# Allegro board RK3588S_Template_LP4XD200P232SD10H2_30X30_2133MHz_H1R0_V11_20220218YWQ.brd (continued)
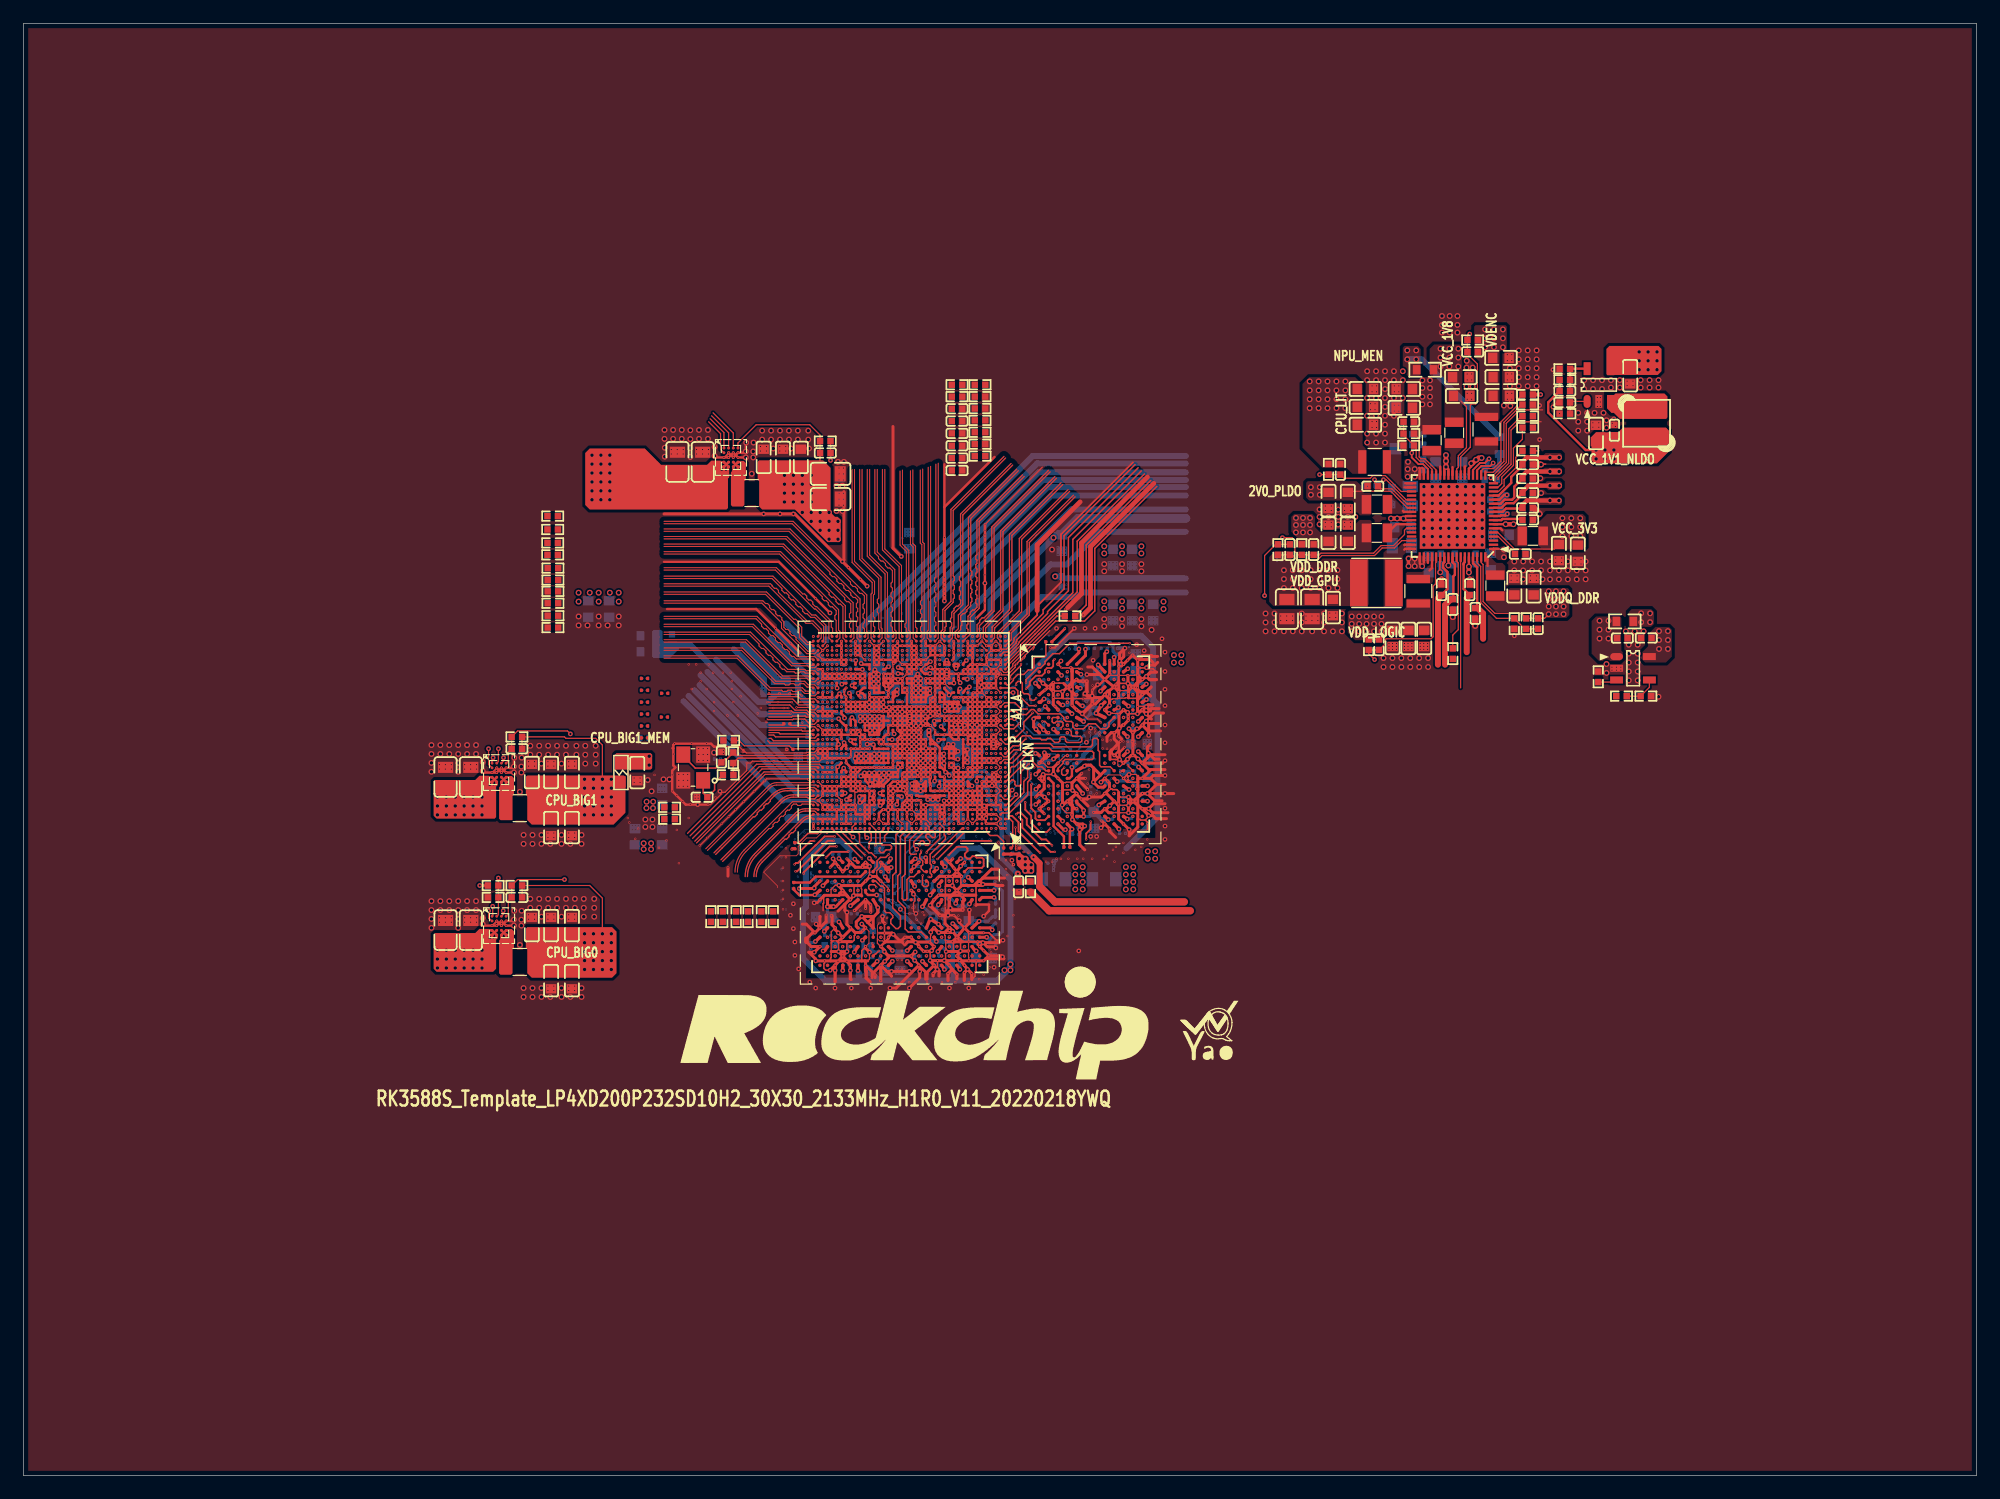
[diagram p0: board, top side]
## Routing (per net, layer and track width the routed paths; a pad name or vN(x,y) marks a point on that pad's centre or on a via; arc(x,y) is an arc through that point) (continued)
  TOP w0.279: v1(80.06,44.82) v7(79.75,44.4) 80.06,44.06 v2(80.4,43.6) v1(80.67,43.25) ; v3(79.35,43.25) v2(78.99,42.89) 78.99,42.31 ; v3(79.35,43.25) v2(79.1,43.6) v1(78.68,44) ; v3(79.35,43.25) v2(79.76,42.84) 79.76,42.44 ; v7(95.59,56.97) v1(96.14,56.97) ; v7(95.59,56.97) 96.14,56.43 v1(96.14,56.39) ; v7(95.59,56.97) v2(94.79,57.62) ; v2(94.79,57.62) 94.42,57.27 ; v2(94.79,57.62) U3800.V12 v2(95.62,58.27) v1(96.03,58.27) ; v2(94.79,57.62) v1(94.42,57.98) ; v3(95.94,66.97) v2(95.59,66.72) 95.19,66.3 ; v3(95.94,66.97) 96.3,66.61 ; v3(95.94,66.97) 96.35,67.38 ; v3(95.94,66.97) 95.4,66.97 95.19,67.18 ; 78.23,42.69 78.23,43.1 v1(78.08,43.25) ; v7(80.2,49.59) v10(80.16,49.55) ; v7(80.2,49.59) v7(78.2,49.59) v7(77.8,49.2) v1(77.48,48.73) ; v7(80.2,49.59) 81.37,49.59 ; v1(92.79,65.8) v7(92.39,65.42) 92.69,65.14 92.75,65.14 v1(92.77,65.12) ; v1(80.67,43.25) v2(81.03,42.89) 81.03,42.39 ; v1(80.67,43.25) v2(80.39,42.97) 80.39,42.31 ; v1(95.18,65.09) v2(95.59,65.42) ; v2(95.59,65.42) v1(95.93,65.09) ; v2(95.59,65.42) v1(95.94,65.7) ; v1(95.94,68.29) v2(95.59,68.02) 95.13,67.68 v7(94.79,67.37) v1(94.37,67.68) ; v1(95.94,68.29) 96.22,68.01 96.81,68.01 ; v1(95.94,68.29) 96.3,68.65 96.81,68.65 ; v2(73.25,42.29) v2(73.25,43.6) v1(73.59,43.94) ; 69.35,42.2 v1(69.35,43.16) v2(69.35,43.6) ; v2(94.79,63.48) v1(94.45,63.81) ; 70.71,42.39 70.65,42.45 v1(70.65,43.16) v2(70.65,43.6) v2(70,44.4) ; 77.72,42.69 v2(77.72,42.89) v1(78.08,43.25) ; v1(77.52,46.43) 77.52,46.43 77.52,46.5 v7(77.8,46.8) 78.18,46.4 v1(78.21,46.4) ; v1(79.2,48.48) 79.1,48.58 v2(79.1,49.2) 79.1,49.35 v2(79.75,50) ; v1(95.94,65.7) 96.09,65.85 96.5,65.85 ; v1(95.94,65.7) 96.3,65.34 ; v7(87.59,61.52) 87.47,61.52 v1(87.23,61.76) 87.23,61.31 v2(87.05,61.13) ; 89.6,67.83 89.64,67.78 ; 89.6,67.83 89.6,68.71 89.59,68.72 89.59,68.93 v2(89.48,69.04) ; 89.6,67.83 v7(89.6,65.82) v7(89.99,65.42) v1(90.46,65.1) ; v2(69.35,43.6) v2(70,44.4) ; v2(69.35,43.6) v1(68.93,43.18) ; v2(70,44.4) v1(69.65,44.77) ; v2(70,44.4) v1(70.36,44.77) ; v2(77.8,45.2) v1(77.6,44.85) ; U3800.K11 v1(95.13,63.81) ; v7(89.19,67.37) 89.38,67.18 v1(89.53,67.18) 89.53,67.03 89.84,66.72 v2(89.99,66.72) ; v1(78.08,43.25) v2(77.8,43.6) v1(77.47,44.01) ; v2(80.26,48.33) v2(80.26,48.66) 80.26,49.06 U3801.C5 ; U3801.N11 73.56,44.74 v1(73.56,44.76) ; v2(75.85,44.4) v1(76.19,44.74) ; v1(76.05,49.68) 76.05,49.81 v2(75.85,50) ; 90.62,66.72 v1(90.71,66.82) ; v2(95.59,64.12) v1(95.93,64.46) ; v2(71.95,43.6) 71.95,43.13 72.01,43.07 72.01,42.51 72.34,42.18 ; v7(73.9,51.6) 73.9,51.72 v1(74.14,51.96) 73.69,51.96 v2(73.51,52.14) ; v2(93.99,65.42) v1(94.34,65.22) ; v2(90.86,67.88) v2(90.53,67.88) 90.13,67.88 U3800.C5 ; U3800.P10 v1(94.33,61.21)
  TOP w0.305: v2(80.26,48.33) 79.35,48.33 v1(79.2,48.48) 78.99,48.28 v1(78.99,47.87) v2(78.31,47.87) 77.48,48.7 v1(77.48,48.73) ; v2(90.86,67.88) 90.86,66.97 v1(90.71,66.82) 90.91,66.61 v1(91.32,66.61) v2(91.32,65.93) 90.49,65.1 v1(90.46,65.1) ; v2(78.69,76.76) v2(78.69,76.33) v2(78.69,75.95) v2(78.69,75.56) v2(78.69,75.18) v1(78.69,74.73)
  TOP w0.406: 96.03,85.32 90.4,79.69 90.4,75.35 89.22,74.17 ; 66.9,45.61 66.9,45.87 ; 96.58,84.78 91.17,79.37 91.17,74.15 v2(90.55,73.53) ; v1(121.16,76.63) C2249.2 ; C2251.2 v1(123.57,76.62) ; 86.61,73.91 86.61,79.52 90.29,83.2
  TOP w0.508: C2246.2 v5(122.12,73.36) ; C2263.2 129.03,82.68 v5(129.54,82.17) ; C2253.2 v5(124.04,72.61)
  L2-GND1 w0.064: v7(70.29,66.5) 70.68,66.5 70.94,66.76 70.94,67.15 ; v7(69.09,64.9) 69.09,64.83 69.33,64.6 69.33,64.41 69.4,64.33 69.73,64.33 v8(70.08,63.98) ; v7(69.09,62.1) 69.33,62.34 69.33,62.85 v8(69.47,62.99) ; 78.54,69.55 78.69,69.39 v8(78.69,69.3) ; v8(69.44,71.12) 69.49,71.07 v7(69.49,70.9) ; 79.17,55.8 79.2,55.8 v7(79.49,56.1) ; v7(87.21,59.32) 87.22,59.31 v8(87.17,59.1) ; v2(73.49,56.9) 73.05,56.9 ; v8(83.69,67.86) 83.95,67.86 84.1,68.01 84.1,68.27 v8(84.13,68.29) ; 76.25,56.29 76.2,56.29 76.15,56.24 76.15,55.98 75.89,55.72 v7(75.89,55.7) ; 82.11,62.72 82.1,62.71 82.48,62.71 82.5,62.68 ; v8(78.41,45.54) 78.41,45.71 78.18,45.94 78.18,46.37 v1(78.21,46.4) ; v2(70.14,67.07) 70.08,67.02 70.08,66.52 ; v8(79.28,61.49) 79.34,61.55 80.18,61.55 80.35,61.72 80.4,61.67 80.43,61.7 80.87,61.7 80.93,61.64 ; v1(81.79,67.77) 81.76,67.77 81.74,67.74 80.81,67.74 80.78,67.72 80.51,67.72 80.48,67.74 v1(80.04,67.74) ; v2(71.09,65.3) 71.09,64.94 71.12,64.91 71.12,64.52 v8(70.99,64.39) ; v7(70.72,62.1) U1000.V34 70.48,61.89 70.54,61.84 70.54,61.57 70.29,61.33 ; 77.47,53.98 76.94,53.45 76.94,53.29 76.59,52.95 76.59,52.49 v7(76.5,52.4) ; v7(69.89,71.3) 69.89,71.71 v8(69.53,72.07) ; v7(83.49,55.3) 83.1,55.69 v2(83.1,55.7) ; v8(71.48,52.02) 71.69,51.97 v7(71.7,51.98) ; v7(71.49,67.7) 70.94,67.15 ; 70.94,67.15 70.74,67.15 70.7,67.19 70.61,67.19 70.56,67.23 70.36,67.23 v2(70.29,67.3) ; 67.97,69.37 67.97,69.38 v7(68.29,69.7) 68.29,69.71 67.89,70.1 ; v2(77.89,63.7) 77.89,64.06 78.49,64.66 v8(78.49,64.74) ; 76.94,53.67 v8(78.89,55.63) ; 71.68,57.15 71.89,56.94 v2(71.89,56.9) ; 77.72,69.9 77.72,70 77.73,70 77.73,70.2 77.59,70.33 77.4,70.33 ; 73,56.87 73,56.95 ; v7(68.29,63.7) 68.28,63.7 67.94,64.03 ; v7(68.29,70.5) v7(68.69,70.9) ; 77.42,69.95 77.17,69.7 v7(77.09,69.7) ; v2(73.49,55.7) v7(73.09,56.1) v7(72.69,55.7) ; v2(75.89,56.9) 76.2,56.59 ; v7(75.09,55.7) 74.76,56.03 74.71,56.03 74.68,56.06 v2(74.68,56.09) 74.67,56.08 74.67,56.06 74.64,56.03 74.63,56.03 74.29,55.7 ; v2(72.69,57.3) 72.69,57.25 ; v2(70.69,65.3) 70.48,65.09 70.48,64.64 70.48,64.63 v8(70.48,64.08) ; v7(83.49,66.9) 83.47,66.9 ; v7(80.69,56.1) v2(80.29,55.7)
  L2-GND1 w0.076: v7(79.75,51.6) 80.74,51.6 81.82,50.52 v1(81.98,50.52) ; v8(73.66,53.76) 73.33,53.76 73.27,53.83 73.08,53.83 72.74,53.5 72.74,53.44 ; 71.22,57.1 71.27,57.15 71.68,57.15 ; v1(95.18,65.09) 95.18,64.85 94.85,64.53 v7(94.39,64.53) ; 78.54,69.55 78.54,69.86 78.56,69.88 ; 79.91,67.67 79.91,67.61 79.6,67.31 ; v2(89.48,69.04) 89.48,68.63 89.32,68.46 89.26,68.46 88.62,67.82 88.39,67.82 ; v2(73.9,50) 73.7,50.2 73.16,50.2 73.08,50.11 ; v8(88.7,59.12) 89.17,59.59 89.17,60.59 88.88,60.87 v7(88.39,60.87) ; 73.05,56.9 72.69,57.25 ; 84.84,64.37 84.8,64.34 84.41,64.34 v8(84.28,64.47) ; v1(77.47,44.01) 77.23,44.01 76.9,44.34 v7(76.9,44.8)
  L2-GND1 w0.102: v8(87.83,53.21) 87.83,53.43 89.03,54.63 v1(89.03,55.18) ; 73.08,50.11 72.98,50.01 72.77,50.01 72.62,50.16 72.62,50.57 72.39,50.8 v7(71.95,50.8) ; v2(75.95,48.51) 76.18,48.51 76.86,49.2 v7(77.8,49.2) ; v8(76.68,51.99) 77.09,51.59 77.09,51.04 v8(76.58,50.53) ; v8(88.39,63.5) v2(88.39,64.12) ; v2(82.29,67.3) v2(81.89,66.9) 82.29,66.51 v2(82.29,66.5) ; v8(86.08,63.86) 86.06,63.88 84.71,63.88 ; v8(89.92,64.82) 89.92,64.56 90.8,63.67 v8(90.8,63.63) ; v2(78.31,47.87) 78.31,47.83 77.52,47.04 v1(77.52,46.43) ; v2(83.08,64.92) 83.11,64.95 83.14,64.95 v7(83.49,65.3) ; 77.42,58.16 77.15,58.16 ; 78.29,65.83 v2(78.29,65.7) ; 70.29,61.35 v2(70.29,61.3) ; v8(84.1,58.65) 84.12,58.67 84.12,59.03 v8(83.95,59.21) ; v8(84.1,58.65) 84.1,58.49 84.39,58.19 v8(84.43,58.19) ; v8(84.1,58.65) 83.95,58.5 v2(83.49,58.5) 83.49,58.5 v2(83.09,58.9) ; v8(71.48,52.02) 71.37,52.12 71.37,52.52 71.38,52.53 71.38,52.9 v8(71.37,52.91) ; v2(91.32,65.93) 91.36,65.93 91.86,65.42 v7(92.39,65.42) ; v7(75.49,66.9) 75.01,66.42 73.97,66.42 v2(73.89,66.5) ; v7(73.89,58.5) 73.89,58.7 72.97,59.61 v8(72.47,59.61) ; v8(84.45,63.8) 84.63,63.8 84.71,63.88 ; 76.4,59.28 76.3,59.18 76.3,58.5 76.2,58.39 ; 76.2,56.59 76.6,56.59 v7(76.69,56.5) ; v2(74.29,57.7) 74.45,57.86 74.65,57.86 74.98,57.53 75.32,57.53 v2(75.49,57.7) ; v2(71.49,63.7) 71.87,64.08 73.35,64.08 73.41,64.14 ; v8(80.01,62.36) 79.78,62.36 79.31,61.89 v8(79.28,61.89) 79.09,62.08 77.93,62.08 77.83,61.98 77.83,61.95 v8(77.77,61.9) ; 79.13,60.39 79.03,60.49 78.31,60.49 78.29,60.47 78.26,60.5 78.24,60.47 ; v8(86.87,63.5) 86.49,63.12 86.36,63.25 85.22,63.25 85.09,63.12 v8(84.33,63.12) ; v8(86.23,65.95) 85.96,65.68 85.96,64.76 v8(85.91,64.71) 85.17,64.71 84.84,64.37 84.84,64.01 84.71,63.88 ; v2(83.09,60.06) U1000.N3 v7(83.49,60.5) ; 74.12,69.77 74.07,69.82 73.76,69.82 ; v1(95.23,61.23) 95.23,61.01 94.85,60.62 94.63,60.62 94.47,60.46 v1(94.47,59.91) ; v8(80.24,62.12) 80.24,62.05 80.22,62.03 80.24,62 80.24,61.5 80.23,61.49 80.23,61.2 80.24,61.19 80.24,60.88 80.22,60.85 80.24,60.83 80.12,60.71 80.04,60.71 v8(80.01,60.73) ; v7(83.09,62.1) 83.5,61.69 v7(83.5,61.29) ; v2(86.79,65.42) 86.74,65.48 86.74,66.28 86.78,66.32 86.78,66.53 86.74,66.57 v2(86.74,66.72) 86,67.47 85.62,67.47 84.79,68.3 v8(84.79,68.53) ; 77.07,66.78 v8(77.07,67.06) 77.07,67.3 v8(77.06,67.31) 77.06,67.67 v7(77.09,67.7) ; v8(84.48,60.45) 84.64,60.3 86.09,60.3 v8(86.12,60.33) 86.09,60.35 86.09,60.63 v1(87.23,61.76) ; v7(92.81,69.66) 92.81,70.04 93.48,70.7 v1(94.11,70.7) ; 70.41,67.35 70.44,67.35 ; 70.41,67.35 v2(70.14,67.07) ; 70.41,67.35 70.41,67.81 ; v2(77.75,52.4) 77.47,52.68 v8(77.47,53.21) ; v1(74.14,51.96) 74.14,52.04 72.23,53.95 v8(71.4,53.95) ; v8(72.9,62.1) 72.3,62.1 v2(72.29,62.1) 72.32,62.07 72.32,60.53 v2(72.29,60.5) ; v7(83.49,63.7) v2(83.09,63.3) ; v7(73.89,58.9) 73.89,58.95 ; 79.3,69.85 79.3,69.76 79.28,69.73 79.28,69.61 79.3,69.59 79.3,69.49 79.25,69.44
  L2-GND1 w0.152: 77.07,66.78 77.07,66.63 77.06,66.62 ; v1(83.69,45.74) 83.13,45.74 82.17,46.7 82.17,46.76 ; v2(71.95,45.2) 71.63,44.87 71.63,44.09 ; 94.32,59.25 v2(93.99,59.57) ; v8(70.97,45.63) 70.97,45.64 70.99,45.66 70.99,46.46 v7(70.65,46.8)
  L3-S1 w0.064: 83.69,68.73 83.55,68.73 ; 83.69,68.73 83.69,68.69 v2(83.49,68.5) v2(83.09,68.1) ; 83.69,68.73 v8(83.79,68.83) 83.85,68.89 83.85,69.03 ; 83.55,68.73 83.85,69.03 ; 83.55,68.73 83.09,68.27 v2(83.09,68.1) ; 89.59,61.92 89.59,61.94 v8(89.41,62.12) ; 79.72,51.4 v3(80.06,51.07) 80.06,51.13 v8(79.88,51.31) 79.79,51.4 79.72,51.4 ; 79.72,51.4 v6(78.73,51.4) v3(78.5,51.18) ; 84.71,68.45 v8(84.79,68.53) 84.84,68.58 84.96,68.58 ; 84.71,68.45 84.71,68.33 ; 84.71,68.45 84.55,68.29 v8(84.13,68.29) ; v8(69.47,62.99) 69.33,62.85 69.33,62.24 69.41,62.16 70.25,62.16 70.26,62.17 v8(70.33,62.1) ; 70.92,45.18 70.92,45.14 70.56,44.77 v1(70.36,44.77) ; 70.92,45.18 70.92,45.63 ; 70.92,45.18 v3(71.07,45.33) 71.07,45.48 70.92,45.63 ; 84.1,68.21 84.13,68.24 v8(84.13,68.29) ; 84.1,68.21 84.1,68.01 83.98,67.89 83.98,67.89 83.96,67.86 v8(83.69,67.86) 83.33,67.86 v2(83.09,68.1) ; 84.1,68.21 84.1,68.27 v8(84.13,68.29) ; v8(85.91,64.71) 85.91,64.68 85.88,64.66 v3(85.88,64.4) ; v8(85.15,57.47) 85.14,57.47 85.05,57.56 v3(85.05,57.75) 84.93,57.87 84.67,57.87 ; v3(78.5,51.18) 78.48,51.2 78.25,51.2 v2(78.1,51.05) ; v3(78.5,51.18) 78.5,51.02 78.98,50.54 79.03,50.54 79.09,50.49 79.38,50.49 ; v8(70.99,64.39) 71.1,64.5 71.1,64.9 71.09,64.91 v2(71.09,65.3) ; v3(85.83,60.4) 85.83,60.4 86.02,60.4 86.09,60.33 v8(86.12,60.33) ; 84.35,58.19 v8(84.43,58.19) 84.48,58.14 84.48,58.06 ; 84.35,58.19 84.11,58.43 ; 84.35,58.19 84.48,58.06 ; v2(93.99,55.67) 93.99,55.69 93.95,55.72 93.95,56.58 94.23,56.86 94.23,57.08 94.32,57.17 ; 84.71,68.33 84.64,68.27 84.15,68.27 v8(84.13,68.29) ; 84.71,68.33 84.96,68.58 ; 81.13,54.88 v8(81.03,54.99) ; 81.13,54.88 81.19,54.88 81.39,54.69 81.61,54.69 ; 81.13,54.88 80.78,54.88 80.66,55.01 ; v8(74.42,52.96) v8(74.42,52.34) 74.14,52.06 v1(74.14,51.96) 74.32,51.78 v8(74.32,51.71) ; v8(70.08,63.98) 70,63.98 69.63,64.36 69.52,64.36 69.34,64.54 69.34,64.8 70.24,65.7 v2(70.29,65.7) ; 87.79,57.82 87.79,57.89 ; 87.79,57.82 87.79,57.24 87.86,57.17 ; 87.79,57.82 v8(87.76,57.85) 87.79,57.89 ; 87.79,57.89 87.79,58.21 88.13,58.54 v3(88.13,58.57) 88.16,58.61 88.56,58.61 v3(88.83,58.33) ; 70.92,45.63 70.74,45.81 69.76,45.81 69.7,45.88 v8(69.7,45.89) ; v3(92.93,59.23) 92.82,59.33 v2(92.64,59.33) ; 85.85,56.14 v8(85.85,56.39) 85.85,56.69 85.77,56.77 ; 85.85,56.14 86.84,55.15 v8(86.84,55.12) 86.84,54.98 v3(86.98,54.85) 86.53,54.41 86.46,54.41 ; 85.85,56.14 85.77,56.22 85.77,56.77 ; v2(68.05,45.2) 68.07,45.2 68.08,45.21 68.96,45.21 69.21,44.96 69.46,44.96 v1(69.65,44.77) ; 69.33,51.18 v3(69.29,51.18) ; 69.33,51.18 69.39,51.18 69.62,51.4 70.59,51.4 70.92,51.07 v3(70.95,51.07) 70.99,51.03 70.99,50.63 v3(70.71,50.36) ; 69.33,51.18 69.39,51.11 69.39,51.07 69.6,50.86 69.6,50.51 v1(69.67,50.44) ; v2(83.1,55.7) 83.1,55.69 83.32,55.47 83.32,55.24 v8(83.57,54.99) v8(83.82,54.74) 84.07,54.48 v3(84.23,54.48) 84.26,54.48 v8(84.52,54.23) 84.56,54.19 84.56,53.61 v3(84.39,53.43) ; v8(89.15,70.54) v3(88.82,70.54) v8(88.52,70.54) ; 85.77,56.77 85.77,56.77 84.67,57.87 ; 84.11,58.43 84.07,58.47 84.07,58.62 v8(84.1,58.65) 84.07,58.67 84.07,58.76 84.11,58.8 ; 84.11,58.43 84.11,58.8 ; 87.79,66.97 v8(87.79,66.35) v3(88.02,66.13) ; 87.79,66.97 v8(87.76,67.01) 87.79,67.04 ; 87.79,66.97 87.79,67.04 ; v3(82.78,64.86) 82.78,64.86 82.55,65.1 v8(82.04,65.1) ; v3(88.02,66.13) 88.17,66.13 88.65,66.6 88.65,66.66 88.7,66.71 88.7,66.91 ; v3(88.02,66.13) 87.99,66.1 87.99,65.87 v2(88.14,65.73) ; 85.32,56.03 85.32,56.56 83.45,58.43 ; 85.32,56.03 85.32,56.03 v8(85.27,55.98) 85.55,55.7 v8(85.55,55.68) ; 85.32,56.03 85.65,55.7 85.65,55.57 ; v10(89.52,63.67) 89.32,63.47 v2(89.19,63.47) 89.17,63.5 v8(88.77,63.5) v8(88.39,63.5) ; v3(92.23,68.83) 92.23,68.75 v8(92.46,68.52) 92.71,68.27 v3(92.84,68.27) ; 84.67,57.87 84.48,58.06 ; v1(88.75,57.29) 88.68,57.22 88.33,57.22 88.13,57.01 88.08,57.01 88.02,56.95 ; v8(70.48,64.08) 70.48,64.09 70.48,65.09 v2(70.69,65.3) ; 84.11,58.8 84.11,59.15 ; v3(87.53,55.73) 87.55,55.75 v8(87.83,55.75) ; 84.96,68.58 85.09,68.71 85.09,69.09 84.86,69.32 v2(84.86,69.34) ; v8(83.69,63.75) 83.74,63.8 v8(84.07,63.8) v8(84.45,63.8) 84.66,63.8 ; v8(86.23,62.04) 86.85,62.04 87.13,61.76 v1(87.23,61.76) 87.41,61.94 v8(87.48,61.94) ; 83.85,69.03 84.16,69.34 84.2,69.34 ; 73.41,64.14 73.77,64.21 v3(73.79,64.24) ; v1(88.78,66.99) 88.7,66.91 ; 88.7,66.91 88.7,67 ; 87.98,62.23 v8(87.88,62.13) ; 85.88,54.41 85.79,54.41 85.6,54.6 85.6,55.24 85.65,55.3 v3(85.65,55.37) ; 83.44,58.55 83.44,58.55 ; 83.44,58.55 83.44,58.44 83.45,58.43 ; 83.44,58.55 83.49,58.5 v2(83.49,58.5) 83.45,58.46 83.45,58.43 ; v3(83.69,56.06) 83.83,56.06 84.09,55.8 84.18,55.8 v8(84.19,55.79) 84.24,55.79 84.51,55.52 84.51,55.17 v8(84.33,54.99) ; v8(84.69,62.18) 84.77,62.26 85.71,62.26 v3(85.89,62.08) ; v3(87.99,68.07) 87.94,68.07 87.73,67.86 v8(87.73,67.79) ; v3(75.11,66.9) 75.11,66.71 75.62,66.2 v3(75.62,66.16) ; 87.79,67.04 87.79,67.28 88.07,67.57 ; v1(94.37,67.68) 94.37,67.4 94.28,67.31 94.28,67.28 94.23,67.23 94.23,67 94.39,66.84 v2(94.39,66.81) 94.42,66.79 v3(94.42,66.46) 94.4,66.44 93.87,66.44 93.79,66.36 93.69,66.36 93.63,66.31 v3(93.53,66.31) 93.43,66.4 93.43,66.6 93.41,66.63 93.41,66.91 93.43,66.93 93.43,67.12 93.41,67.14 93.41,67.59 v3(93.66,67.84) ; v8(84.28,64.47) 84.02,64.47 v3(83.99,64.51) ; v8(93.3,57.32) 93.33,57.32 93.38,57.37 93.38,58.36 93.71,58.69 v3(93.86,58.69) 94.01,58.54 94.06,58.54 94.42,58.18 v1(94.42,57.98) ; v3(81.21,46.96) 81.13,46.96 v8(80.9,46.74) 80.64,46.48 v3(80.64,46.36) ; v8(80.09,45.21) 80.06,45.19 v1(80.06,44.82) 79.78,44.82 79.69,44.92 79.66,44.92 79.61,44.96 79.38,44.96 79.19,44.77 v1(78.84,44.77) 78.82,44.8 78.82,45.32 78.74,45.4 78.74,45.51 78.69,45.56 v3(78.69,45.66) 78.78,45.76 78.98,45.76 79.01,45.79 79.28,45.79 79.31,45.76 79.49,45.76 79.52,45.79 79.97,45.79 v3(80.22,45.54) 80.09,45.4 v8(80.09,45.21) ; 91.3,63.98 91.55,63.98 91.44,63.87 v1(91.19,63.87) 91.3,63.98
  L3-S1 w0.076: v3(84.43,71.12) 84.43,71.18 v2(84.63,71.38) ; v3(84.43,71.12) 84.24,70.93 83.82,70.93 83.38,70.5 v2(82.69,70.5) ; v3(84.43,71.12) v8(84.07,71.12) ; v1(91.19,63.87) 90.8,63.87 90.5,63.57 90.3,63.57 89.59,63.57 89.52,63.65 ; 78.56,62.43 78.84,62.15 78.84,62.1 ; v8(75.18,47.92) 75.15,47.96 75.15,48.1 75.44,47.81 v3(75.44,47.52) 75.44,47.35 ; v1(93.63,63.85) 93.63,64.03 93.29,64.36 93.09,64.36 ; 83.97,70.3 v8(83.81,70.13) 83.58,69.9 ; 83.97,70.3 v3(84.45,70.3) 84.39,70.36 v8(84.07,70.36) 84.04,70.36 83.97,70.3 ; 76.74,46.1 76.68,46.17 76.68,46.63 76.74,46.7 ; 76.74,46.1 76.74,45.9 76.4,45.56 v1(76.23,45.56) 75.51,45.56 75.5,45.58 ; 76.74,46.1 76.74,46.32 v8(76.71,46.36) 76.74,46.39 76.74,46.7 ; v3(93.58,57.16) 93.64,57.22 94.16,57.22 94.32,57.37 ; 89.59,61.92 v3(89.59,61.84) 90.21,61.22 ; 68.75,55.85 68.55,55.65 68.3,55.65 v3(68.3,55.65) ; 68.75,55.85 68.78,55.85 v3(69.01,56.08) 69.19,56.26 ; 68.75,55.85 68.75,56.04 68.71,56.08 ; v2(79.89,68.1) 79.89,67.96 80.04,67.82 v1(80.04,67.74) 79.55,67.26 v2(79.22,67.26) ; 73.56,45.49 v3(73.56,45.54) ; v3(73.56,45.54) 73.49,45.6 73.49,45.78 ; v3(73.56,45.54) 73.61,45.49 73.61,45.41 ; v3(73.56,45.54) 73.61,45.54 ; 90.21,61.22 90.21,61.02 v8(90.3,60.94) 90.32,60.96 90.47,60.96 90.21,61.22 ; 91.05,58.25 91.22,58.08 91.12,57.98 v1(91.07,57.98) ; 91.05,58.25 90.93,58.37 ; 91.05,58.25 91.05,58.47 v2(90.91,58.61) ; v8(71.01,49.08) 71.01,48.52 70.75,48.27 ; 90.93,58.37 90.67,58.63 v8(90.11,58.63) ; 90.93,58.37 90.93,58.12 ; 76.03,49.68 75.95,49.6 75.95,48.89 75.95,48.32 v1(76.25,48.03) 76.25,47.78 76.36,47.67 76.36,47.92 ; 76.03,49.68 v1(76.05,49.68) ; 76.03,49.68 76.02,49.68 75.8,49.9 75.8,51.54 75.86,51.6 75.86,51.75 75.95,51.84 ; 88.73,57.32 v1(88.75,57.29) ; 75.26,45.67 75.35,45.58 ; 75.26,45.67 75.18,45.74 ; 75.26,45.67 75.26,45.56 ; 75.35,45.58 v2(75.3,45.53) ; 75.35,45.58 75.5,45.58 ; v8(91.57,63.25) 91.39,63.42 90.98,63.42 ; 69.75,44.88 69.8,44.93 70.21,44.93 v1(70.36,44.77) ; 69.75,44.88 v1(69.65,44.77) ; 69.75,44.88 69.6,45.03 69.6,45.55 v3(69.53,45.61) ; 76.74,46.7 76.74,46.9 76.74,46.9 76.74,47.13 v2(76.71,47.16) ; v2(83.09,63.3) v2(82.69,63.3) v2(82.29,62.9) ; 85.75,62.75 86.22,62.75 ; 85.75,62.75 85.73,62.74 85.29,62.74 84.86,63.16 84.75,63.16 ; 85.75,62.75 85.86,62.87 86.11,62.87 ; 86.22,62.75 86.11,62.87 ; 86.22,62.75 86.31,62.75 v8(86.36,62.8) ; 79.3,62.93 79.3,62.98 79.33,63.01 v8(79.66,63.01) ; 79.3,62.93 v3(79.27,62.97) ; 79.3,62.93 79.3,62.99 79.35,63.04 v8(79.33,63.52) ; v1(94.47,59.91) 94.84,60.28 94.84,60.63 95.23,61.02 v1(95.23,61.23) ; 73.6,48.98 73.4,48.98 v8(73.32,48.89) 73.34,48.87 73.34,48.72 ; 73.6,48.98 73.34,48.72 ; 73.6,48.98 v3(74.22,49.6) 74.59,49.97 74.59,51.07 74.4,51.25 74.4,51.63 ; 74.4,51.63 74.4,52.12 74.24,51.96 v1(74.14,51.96) ; 74.4,51.63 v8(74.32,51.71) ; 73.66,46.76 v8(73.91,46.51) 74.05,46.37 74.2,46.37 v1(74.32,46.25) ; 73.66,46.76 73.66,47.01 ; 73.66,46.76 v8(73.66,46.63) ; 75.31,45.52 75.52,45.3 ; 75.31,45.52 75.31,45.43 75.43,45.3 75.52,45.3 ; 75.31,45.52 v2(75.3,45.53) ; 75.52,45.3 75.6,45.3 ; 74.41,48.54 v8(74.29,48.66) 74.42,48.79 74.42,48.84 ; 74.41,48.54 74.77,48.54 v1(74.93,48.38) ; 74.41,48.54 74.21,48.54 74.12,48.63 74.12,48.68 74.29,48.84 74.42,48.84 ; v8(75.13,47.16) 75.07,47.1 75.07,47.01 ; 87.11,63.47 86.89,63.47 v8(86.87,63.5) 86.79,63.42 ; 87.11,63.47 87.21,63.57 ; 87.11,63.47 87.06,63.42 86.79,63.42 ; 87.11,63.47 87.11,63.68 v1(87.15,63.72) 87.2,63.72 87.26,63.67 ; 75.26,45.56 75.18,45.64 ; 75.26,45.56 v2(75.3,45.53) ; 75.18,45.64 75.18,45.74 ; 75.18,45.64 75.18,45.6 75.26,45.53 v2(75.3,45.53) ; 84.66,63.8 84.73,63.87 85.57,63.87 85.64,63.94 86,63.94 86.08,63.87 v8(86.08,63.86) 86.13,63.8 86.13,63.63 86.33,63.42 86.79,63.42 ; 87.21,63.57 87.26,63.62 87.26,63.67 ; 87.21,63.57 87.35,63.57 ; 92.49,64.36 92.29,64.36 92.29,64.36 92.07,64.36 v2(92.06,64.35) ; 92.49,64.36 92.8,64.36 v8(92.84,64.33) 92.87,64.36 93.09,64.36 ; 92.49,64.36 92.56,64.3 93.02,64.3 93.09,64.36 ; v3(72.45,60.76) 72.31,60.89 72.31,61.11 72.34,61.14 72.34,61.79 72.31,61.81 72.31,61.87 ; v2(81.09,69.7) v2(81.09,70.1) 80.98,70.22 80.98,70.82 v3(80.85,70.94) ; 84.07,63.12 84.32,63.12 v8(84.33,63.12) ; 84.07,63.12 84.11,63.16 ; 84.07,63.12 84,63.05 83.39,63.05 83.36,63.07 83.36,63.07 83.23,63.21 83.23,63.43 83.26,63.46 83.29,63.46 83.39,63.55 ; 75.18,45.74 75.18,46.44 75.18,46.9 75.07,47.01 ; 73.66,47.47 73.96,47.77 v8(73.96,47.88) 73.86,47.77 v1(73.41,47.77) ; 73.66,47.47 73.66,47.01 ; 73.66,47.47 73.66,47.52 v2(73.79,47.64) ; 89.52,63.65 89.52,63.64 89.29,63.42 ; 89.52,63.65 v10(89.52,63.67) ; 79.43,62.02 79.49,62.02 79.77,62.3 79.84,62.3 79.84,62.35 79.89,62.35 ; 81.28,56.11 81.58,56.11 81.79,55.89 81.79,55.8 81.84,55.75 81.84,55.75 v8(81.86,55.73) 81.86,55.63 81.91,55.58 v3(81.91,55.3) ; 81.28,56.11 v3(81.06,55.89) 81.02,55.93 80.86,55.93 ; 81.28,56.11 81.04,56.11 80.86,55.93 ; v2(70.99,48.28) 70.85,48.14 70.62,48.14 ; 75.5,45.58 75.52,45.58 75.57,45.53 v2(75.3,45.53) ; v8(74.42,52.96) 74.42,53.26 v3(74.49,53.33) 74.72,53.33 74.95,53.56 74.95,53.97 74.85,54.07 74.85,54.41 ; 90.98,63.42 90.22,63.42 ; 90.98,63.42 v2(91.06,63.5) ; 90.22,63.42 89.94,63.42 ; 90.22,63.42 v8(90.3,63.5) ; v3(88.83,58.33) 88.68,58.33 88.68,57.78 ; v3(70.71,50.36) 70.71,50.51 70.15,50.51 ; v2(75.89,56.9) v2(76.29,56.5) v2(76.29,56.1) 75.99,55.8 75.99,54.69 ; 86.11,62.87 85.78,63.2 85.73,63.2 85.51,63.41 85.23,63.41 84.98,63.16 ; 74.85,54.69 74.85,55.03 74.95,55.14 74.95,55.82 v2(74.68,56.09) ; 74.85,54.69 74.9,54.64 v8(74.9,54.56) 74.9,54.47 74.85,54.41 ; 74.85,54.69 74.85,54.41 ; 80.86,55.93 80.52,55.93 80.29,55.7 ; 88.7,67.06 88.66,67.11 88.66,67.47 88.56,67.57 88.07,67.57 ; 88.7,67.06 88.7,67 ; 88.7,67.06 v1(88.78,66.99) ; 87.35,63.57 87.26,63.67 ; 87.35,63.57 87.45,63.48 v2(87.59,63.48) 87.65,63.42 88.31,63.42 ; 75.95,51.84 76.05,51.94 ; 75.95,51.84 75.95,51.98 ; 76.05,51.94 76.1,51.99 v1(76.1,52.04) 76.06,52.08 75.85,52.08 ; 76.05,51.94 76,51.94 75.95,51.98 ; v2(73.15,47.21) 73.05,47.11 73.05,46.7 73.12,46.63 73.12,46.17 73.05,46.1 73.05,45.9 73.23,45.72 73.41,45.72 73.46,45.78 73.49,45.78 ; v2(73.15,47.21) 73.3,47.21 73.41,47.31 73.41,47.36 ; v2(73.15,47.21) 73.15,47.14 73.23,47.06 73.61,47.06 ; 83.11,58.9 83.47,59.26 83.99,59.26 84.11,59.15 ; v1(82.87,62.53) 82.86,62.53 82.84,62.5 82.55,62.5 82.36,62.32 81.68,62.32 v8(81.64,62.27) ; 87.56,62.03 87.07,62.03 87.23,61.86 v1(87.23,61.76) ; 87.56,62.03 87.78,62.03 v8(87.88,62.13) ; 87.56,62.03 v8(87.48,61.94) ; 87.56,62.03 87.56,62.15 87.64,62.23 89.28,62.23 ; v2(70.29,56.48) 70.11,56.3 70.11,56.01 69.98,55.88 69.72,55.88 68.76,54.92 v2(68.67,54.92) 68.55,54.92 68.07,54.45 67.39,54.45 67.31,54.37 v8(67.28,54.37) 67.31,54.35 v6(67.31,53.98) ; 89.94,63.42 89.29,63.42 ; 89.94,63.42 v8(89.99,63.47) ; 88.68,57.78 88.68,57.37 ; 88.68,57.78 88.78,57.88 ; 74.42,48.84 74.68,48.84 v8(75.15,49.31) ; v2(73.61,47.16) 73.61,47.06 ; 73.61,47.06 73.66,47.01 ; 94.32,57.37 94.27,57.42 94.27,57.83 v1(94.42,57.98) ; 94.32,57.37 94.32,57.17 ; 83.26,71.55 83.09,71.38 v2(83.09,71.3) ; v3(87.44,64.35) 87.44,64.36 87.44,64.5 v8(87.3,64.64) ; 69.19,56.26 69.21,56.26 v8(69.44,56.49) ; 69.19,56.26 68.85,56.26 v2(68.69,56.1) ; 73.34,48.72 73.34,48.17 73.5,48.01 73.5,47.87 ; 83.6,62.57 83.57,62.57 v2(83.49,62.5) 83.49,62.46 ; 83.6,62.57 83.49,62.46 ; 83.6,62.57 83.77,62.74 84.4,62.74 ; 83.49,62.46 83.26,62.23 83.26,62.04 83.46,61.84 v8(83.69,61.84) v8(84.13,61.84) 84.46,61.84 84.69,62.07 ; 75.99,54.69 75.99,54.18 76,54.17 76,53.11 75.85,52.96 75.85,52.08 ; 75.99,54.69 76.07,54.61 v8(76.07,54.36) ; v2(81.89,66.9) 81.89,66.89 v2(82.29,66.5) ; v2(95.12,58.67) 95.12,58.04 95.3,57.86 95.3,57.22 95.57,56.95 95.57,54.93 v8(95.5,54.86) ; v2(75.49,57.7) 75.42,57.63 75.06,57.63 75.01,57.58 ; 79.99,62.6 80.03,62.38 v8(80.01,62.36) ; 89.28,62.23 89.6,62.23 v3(91.47,60.36) ; 89.28,62.23 89.3,62.21 89.32,62.21 v8(89.41,62.12) ; 73.49,45.78 73.53,45.81 ; 75.95,51.98 75.85,52.08 ; 83.44,58.55 83.09,58.9 ; 70.5,48.27 70.75,48.27 ; 70.75,48.27 70.62,48.14 ; 70.29,61.35 v2(70.29,61.3) 70.53,61.53 v8(70.53,61.98) ; 70.26,50.41 70.15,50.51 ; 70.15,50.51 69.75,50.51 ; v8(80.37,62.81) 80.33,62.62 80.4,62.52 v3(80.4,62.5) ; 84.69,62.07 v8(84.69,62.18) 84.73,62.14 84.73,62.07 84.69,62.07 ; 70.62,48.14 70.46,47.97 70.36,48.08 v1(70.36,48.13) ; 72.57,62.02 72.57,62.03 72.44,62.03 ; v8(69.53,72.07) 69.53,72.2 v8(69.42,72.31) ; 75.16,51.35 v8(75.18,51.33) 75.16,51.33 75.13,51.3 75.13,49.93 v8(75.17,49.89) 75.15,49.87 v8(75.15,49.31) ; 75.16,51.35 75.13,51.35 75.13,51.58 ; 75.16,51.35 75.13,51.33 74.93,51.53 74.93,51.71 74.95,51.73 75.06,51.73 75.08,51.71 v3(75.08,51.63) 75.13,51.68 75.13,51.99 ; v8(81.31,61.9) 81.26,61.91 v3(80.9,62.48) ; 88.31,63.42 89.29,63.42 ; 88.31,63.42 v8(88.39,63.5) ; v2(71.09,57.3) 71.2,57.19 71.78,57.19 v2(71.89,57.3) ; v1(93.66,61.18) 93.66,61.03 93.18,60.55 v8(93.12,60.55) ; v2(82.31,55.7) 82.32,55.68 82.32,55.67 82.45,55.54 82.45,55.47 ; v8(70.92,65.56) 70.91,65.56 v3(70.79,65.99) ; v8(90.42,62.63) 90.22,62.83 90.07,62.83 v8(90.07,62.84) v8(89.27,62.84) ; v8(75.15,49.31) 75.15,49.05 ; v8(77.77,61.9) 77.75,61.93 v3(77.47,61.93) ; v2(73.49,56.9) 73.05,56.9 72.69,57.25 v2(72.69,57.3) ; 75.13,51.99 75,51.86 ; 75.13,51.99 75.13,53.02 75.49,53.37 75.49,56.58 75.44,56.63 75.44,56.85 v1(75.49,56.9) ; v2(78.69,70.1) 78.59,70 78.59,69.78 78.57,69.77 78.57,69.42 v8(78.69,69.3) ; 82.45,55.47 82.47,55.45 82.47,54.94 v8(82.55,54.86) v8(82.8,54.61) 83.31,54.1 v2(83.31,54.08) 83.36,54.02 83.36,53.6 v3(83.53,53.44) 84.39,52.58 v1(84.45,52.58) v3(84.45,50.93) 84.45,46.5 v1(83.69,45.74) ; 82.45,55.47 82.67,55.69 82.71,55.69 82.74,55.72 82.79,55.72 v3(82.8,55.73) ; 75.07,47.01 75.42,47.35 ; 69.7,50.46 v1(69.67,50.44) ; v8(76.89,63.45) 76.77,63.22 v3(76.71,63.2) ; v8(68.2,55.35) 68.2,55.3 67.81,54.91 66.88,54.91 v8(66.8,54.99) 66.67,54.99 66.55,54.86 ; 85.93,62.04 v8(86.23,62.04)
  L3-S1 w0.079: v8(78.41,45.54) 78.07,45.2 v2(77.8,45.2) ; v2(93.99,65.42) 93.99,65.69 v8(93.65,66.03)
  L3-S1 w0.102: 82.65,58.95 82.34,58.95 v2(81.89,58.5) ; 82.65,58.95 v1(82.76,58.95) 83.04,58.95 v2(83.09,58.9) ; 82.65,58.95 v2(82.29,59.3) 82.05,59.3 81.66,59.69 ; 73.79,45.26 73.79,45.66 73.76,45.69 ; 73.79,45.26 73.56,45.49 ; 73.79,45.26 73.83,45.21 74.39,45.21 v8(75.18,45.21) ; v2(81.89,63.3) v2(81.89,63.7) ; 57.36,66.94 60.02,66.94 ; v2(81.09,61.7) 80.41,61.7 80.24,61.87 v8(80.24,62.12) ; 84.2,69.34 84.23,69.37 v3(84.48,69.37) 84.81,69.37 84.84,69.34 v2(84.86,69.34) ; v1(93.66,61.18) 93.64,61.19 v3(92.84,61.19) 91.86,61.19 90.47,62.59 ; 80.16,65.32 80.18,65.35 80.23,65.35 v8(80.49,65.09) ; v8(57.15,54.86) 57.22,54.94 58.9,54.94 v2(59.67,55.7) ; v3(70.89,68.5) 70.83,68.56 70.76,68.56 v7(70.69,68.5) ; v8(87.76,57.85) 87.64,57.97 v1(87.25,57.97) ; v8(88.65,55.18) 88.38,55.18 v3(88.31,55.26) ; v3(74.04,62.23) 73.88,62.07 72.62,62.07 72.57,62.02 ; v1(73.03,70.15) 73.03,69.76 v2(73.09,69.7) ; v3(72.21,71.6) 72.21,71.86 v8(72.26,71.91) ; 79.68,73.71 v8(79.73,73.66) v8(79.73,73.28) v8(79.73,72.9) ; 79.68,73.71 79.68,72.95 ; 79.68,73.71 79.68,74.05 79.64,74.09 ; 68.71,56.08 v2(68.69,56.1) v2(68.29,56.1) ; 85.98,62.99 v8(85.98,62.87) ; v3(92.87,56.71) 92.68,56.52 v8(92.64,56.52) ; v2(79.1,52.45) 79.3,52.45 v3(79.4,52.35) ; v3(89.49,57.32) 89.53,57.28 v8(89.81,57.28) ; v8(81.64,62.27) 82.02,61.89 v8(82.04,61.89) 81.94,61.79 81.94,61.52 v3(81.81,61.39) ; v2(84.63,71.38) 85.02,71.38 85.34,71.06 v8(85.34,70.74) 85.34,70.37 85.08,70.1 84.65,70.1 v3(84.45,70.3) ; v8(85.85,54.43) 85.88,54.41 v3(86.18,54.41) 86.46,54.41 v8(86.49,54.43) ; v2(74.29,69.7) 74.29,70.05 v3(74.52,70.28) ; 80.66,55.01 80.46,55.2 80.46,55.53 80.29,55.7 ; 79.68,72.95 79.68,72.57 ; 79.68,72.95 v8(79.73,72.9) ; 79.68,72.57 79.68,72.19 79.73,72.24 v8(79.73,72.52) ; 79.68,72.57 v8(79.73,72.52) ; 84.11,58.8 84.27,58.97 v3(84.27,59.03) 84.1,59.21 v8(83.95,59.21) 83.34,59.21 v8(83.31,59.18) 83.09,58.96 v2(83.09,58.9) ; v3(73.79,55.83) v8(73.79,55.5) v8(74.04,55.24) 74.02,55.23 74.02,54.25 v3(74.17,54.1) 74.35,54.1 74.45,54.21 v8(74.45,54.23) ; 86.49,55.5 86.49,55.32 v8(86.56,55.24) 86.72,55.24 v8(86.84,55.12) ; 57.06,55.55 v3(57.61,55.55) 58.62,55.55 ; 60.11,74.85 60.91,74.85 v3(61.04,74.73) v8(61.42,74.73) ; 57.36,64.6 59.89,64.6 ; 81.91,54.99 81.61,54.69 81.87,54.69 v3(81.91,54.74) 81.91,54.99 ; 81.91,54.99 v3(81.91,55.3) ; v2(55.43,59.87) 55.3,59.74 ; v3(77.55,70.05) 77.55,70.18 v8(77.72,70.36) 77.89,70.19 v2(77.89,70.1) ; v3(77.55,70.05) 77.53,70.05 77.18,69.7 v7(76.69,69.7) ; v3(77.55,70.05) 77.59,70.1 v2(77.89,70.1) ; v2(83.49,69.7) 83.49,69.78 83.62,69.9 83.34,69.9 83.25,69.82 82.7,69.82 ; v2(74.69,69.7) 74.69,70.11 v3(74.52,70.28) ; v8(84.33,54.99) v8(83.95,54.99) v8(83.57,54.99) ; v8(95.5,54.86) v8(95.25,54.61) v3(95,54.36) v2(94.7,54.06) v2(93.98,54.06) 93.68,54.06 v3(93.6,53.98) v2(93.34,53.72) v3(92.84,53.21) v2(92.3,52.68) v3(91.95,52.68) v3(90.93,52.68) v3(89.66,52.68) 88.29,52.68 v2(88.26,52.7) 88.14,52.58 87.12,52.58 86.42,53.28 v2(85.46,53.28) v3(85.22,53.52) ; v3(89.61,68.13) 89.67,68.07 89.89,68.07 v2(89.94,68.02) ; 83.2,69.77 83.14,69.7 v2(82.69,69.7) 82.69,69.81 82.7,69.82 ; v2(70,51.6) 70.17,51.44 v8(70.23,51.44) ; v2(68.29,56.1) v2(67.89,56.1) 67.86,56.13 67.45,56.13 67.06,55.74 67.06,55.65 v3(66.72,55.32) 65.91,54.51 65.91,54.23 ; v2(68.29,56.1) 68.29,55.66 v3(68.3,55.65) ; v8(88.12,70.99) 87.91,70.99 v3(87.83,70.92) ; 88.68,57.37 88.73,57.32 ; 74.65,57.84 74.9,57.58 75.01,57.58 ; v3(77.05,66.56) 77.07,66.58 v8(77.07,67.06) 77.06,67.06 v8(77.06,67.31) 77.06,67.58 v3(77.17,67.69) ; 68.58,40.31 64.88,44.01 64.88,53.33 v2(65.15,53.59) 65.79,54.23 65.91,54.23 ; v2(69.89,69.3) 69.89,69.61 v3(69.93,69.65) 69.98,69.7 v2(70.29,69.7) ; v3(71.07,45.33) 70.97,45.44 v8(70.97,45.63) ; 69.75,50.51 69.7,50.46 ; 65.91,54.23 66.55,54.86 ; 65.91,54.23 v4(65.91,53.98) 66.16,53.73 v3(66.17,53.73) 67.04,53.73 v3(67.06,53.72) 67.19,53.85 67.19,53.85 v6(67.31,53.98) ; 83.23,63.3 83.23,63.3 v2(83.09,63.3) ; 71.71,46.56 71.63,46.63 v1(71.63,47.12) ; v8(79.73,72.9) v8(79.73,72.52) ; v3(67.64,51) 67.56,50.93 v8(67.56,50.67) ; v2(91.44,56.66) v3(91.44,56.96) 91.67,56.96 v2(91.73,56.9) ; v3(93.86,58.69) 94.07,58.9 v8(94.11,58.9) ; v8(70.97,50.01) 70.97,50.11 v3(70.71,50.36) 70.66,50.41 70.26,50.41 ; v3(86.84,67.02) 86.74,66.92 v2(86.74,66.72) ; v3(77.47,52.26) 77.61,52.4 v2(77.75,52.4) ; v8(86.36,62.8) 86.54,62.8 86.57,62.78 87.09,62.78 v8(87.12,62.8) 87.15,62.78 87.84,62.78 v8(87.86,62.8) v8(88.52,62.8) 89.24,62.8 v8(89.27,62.84) ; 73.52,52.14 73.69,52.31 v3(73.69,52.41) 73.51,52.24 v2(73.51,52.14) ; v1(79.6,64.16) 79.29,64.16 v3(79.18,64.05) ; v8(87.22,53.26) 87.47,53.26 v3(87.52,53.21) v8(87.83,53.21) ; v2(88.39,64.12) 88.39,64.35 v3(88.55,64.51) ; v2(70.29,68.1) 70.44,67.95 70.44,67.38 v2(70.14,67.07) 70.08,67.02 70.08,66.62 70.36,66.34 v3(70.36,66.31) ; 73.76,45.69 73.61,45.54 ; 73.76,45.69 73.64,45.81 73.53,45.81 ; 87.05,61.14 86.88,61.31 v3(86.78,61.31) 86.95,61.13 v2(87.05,61.13) ; v8(84.48,60.45) 84.48,60.39 84.68,60.19 v3(84.68,60.16) ; v2(82.69,67.69) 82.8,67.81 v3(82.98,67.81) ; v2(81.89,66.9) v2(82.29,67.3) v2(82.29,67.7) v2(81.89,68.1) 81.87,68.08 v1(81.87,67.36) ; v8(85.93,59.38) 85.68,59.38 v3(85.62,59.44) ; v1(94.37,67.68) 93.82,67.68 v3(93.66,67.84) 93.66,67.91 93.44,68.13 93.44,68.13 93.18,68.39 v8(93.11,68.39) ; v3(87.25,53.89) 87.32,53.82 v8(87.55,53.82) ; v2(83.08,64.52) 82.9,64.34 v3(82.8,64.34) ; v3(60.08,53.01) 60.08,51.34 ; v3(86.33,57.82) 86.56,57.82 v8(86.66,57.71) ; v3(67.51,59.49) 67.34,59.31 v8(67.18,59.31) ; v2(60.43,68.6) 60.95,68.6 63.47,66.09 v2(63.58,66.09) ; v8(78.49,64.74) 78.49,64.62 77.97,64.1 v2(77.49,64.1) ; v8(89.19,58.59) 89.08,58.59 v3(88.83,58.33) 88.78,58.28 88.78,57.88 ; 57.66,54.48 v8(57.91,54.48) ; v2(75.89,57.7) 76.33,58.13 76.33,58.64 76.33,58.64 76.33,59.54 76.4,59.61 v1(76.4,60.05) ; v2(71.49,63.7) 71.87,64.08 73.35,64.08 73.41,64.14 ; 71.27,60.8 v3(71.24,60.77) ; v1(78.69,74.73) 78.69,74.47 v8(78.74,74.42) ; v3(83.64,60.88) 83.64,60.63 v8(83.69,60.58) ; v2(72.69,60.5) 72.68,60.48 ; 71.28,67.4 70.92,67.05 70.92,66.44 70.79,66.31 v3(70.79,65.99) ; v8(72.9,59.69) 73.15,59.44 73.15,59.05 v8(73.28,58.93) ; v2(83.09,58.9) 83.11,58.9 ; 72.45,60.88 v3(72.45,60.76) ; v8(71.12,72.44) 71.12,72.24 71,72.12 v3(70.95,72.12) 70.95,72.17 70.89,72.23 v8(70.89,72.44) ; v2(77.89,70.1) v2(77.89,69.3) ; v3(74.52,70.28) 74.66,70.41 v1(74.66,70.9) ; v3(75.95,72.44) 75.95,72.64 v8(75.82,72.77) ; v8(78.05,72.82) 78.05,73.1 v8(78.1,73.15) ; v3(83.69,56.06) 83.45,56.06 83.1,55.71 v2(83.1,55.7) 83.09,55.71 83.09,56.23 v1(82.1,57.22) 82.1,57.49 v2(81.89,57.7) ; 75,51.86 75,51.71 v3(75.08,51.63) ; v3(87.45,69.85) 87.38,69.92 v8(87.38,70.14) ; v2(71.89,69.7) v2(71.49,70.1) ; 79.2,60.42 79,60.42 78.95,60.47 78.89,60.47 78.87,60.49 78.57,60.49 78.55,60.47 78.33,60.47 78.28,60.52 v8(78.11,60.34) ; 59.22,73.96 v3(61.04,73.96) v8(61.42,73.96) 62.63,73.96 67.31,69.28 67.31,69.22 v3(67.51,69.01) ; v8(84.13,61.84) 84.33,62.04 v8(84.33,62.08) 84.59,62.08 v8(84.69,62.18) ; v3(80.06,51.07) 80.01,51.02 80.01,50.7 79.8,50.49 79.38,50.49 ; 83.39,63.55 83.66,63.82 ; 82.7,69.82 82.57,69.82 v2(82.29,70.1) v2(82.69,70.5) ; 72.46,65.5 72.52,65.35 72.57,65.41 v3(72.58,65.41) 72.6,65.39 72.65,65.39 ; v2(86.79,65.42) v8(86.41,65.42) 86.34,65.42 v3(86.11,65.66) ; 84.98,63.16 84.75,63.16 84.11,63.16 ; 85.6,54.61 v6(85.47,54.74) v6(85.47,55.12) 85.47,55.19 v3(85.65,55.37) 85.65,55.57 v8(85.55,55.68) ; v8(71.37,52.91) 71.38,52.9 71.38,52.34 v3(71.4,52.32) ; v2(82.69,66.5) v2(82.29,66.5) ; v8(80.77,46.08) 80.77,46.01 80.51,45.75 80.5,45.75 80.29,45.54 v3(80.22,45.54) ; v2(90.42,68.9) 90.41,68.91 90.14,68.91 v3(90.12,68.94) ; 57.36,65.3 59.64,65.3 ; v2(61.47,61.82) 61.23,61.82 60.65,62.41 59.96,62.41 59.64,62.73 59.64,62.92 59.55,62.92 59.47,62.99 55.91,62.99 ; 57.36,67.64 60.27,67.64 ; 75.42,47.35 75.44,47.35 ; 84.4,62.74 85.29,62.74